# KiCad board lily58-choc-panel.kicad_pcb
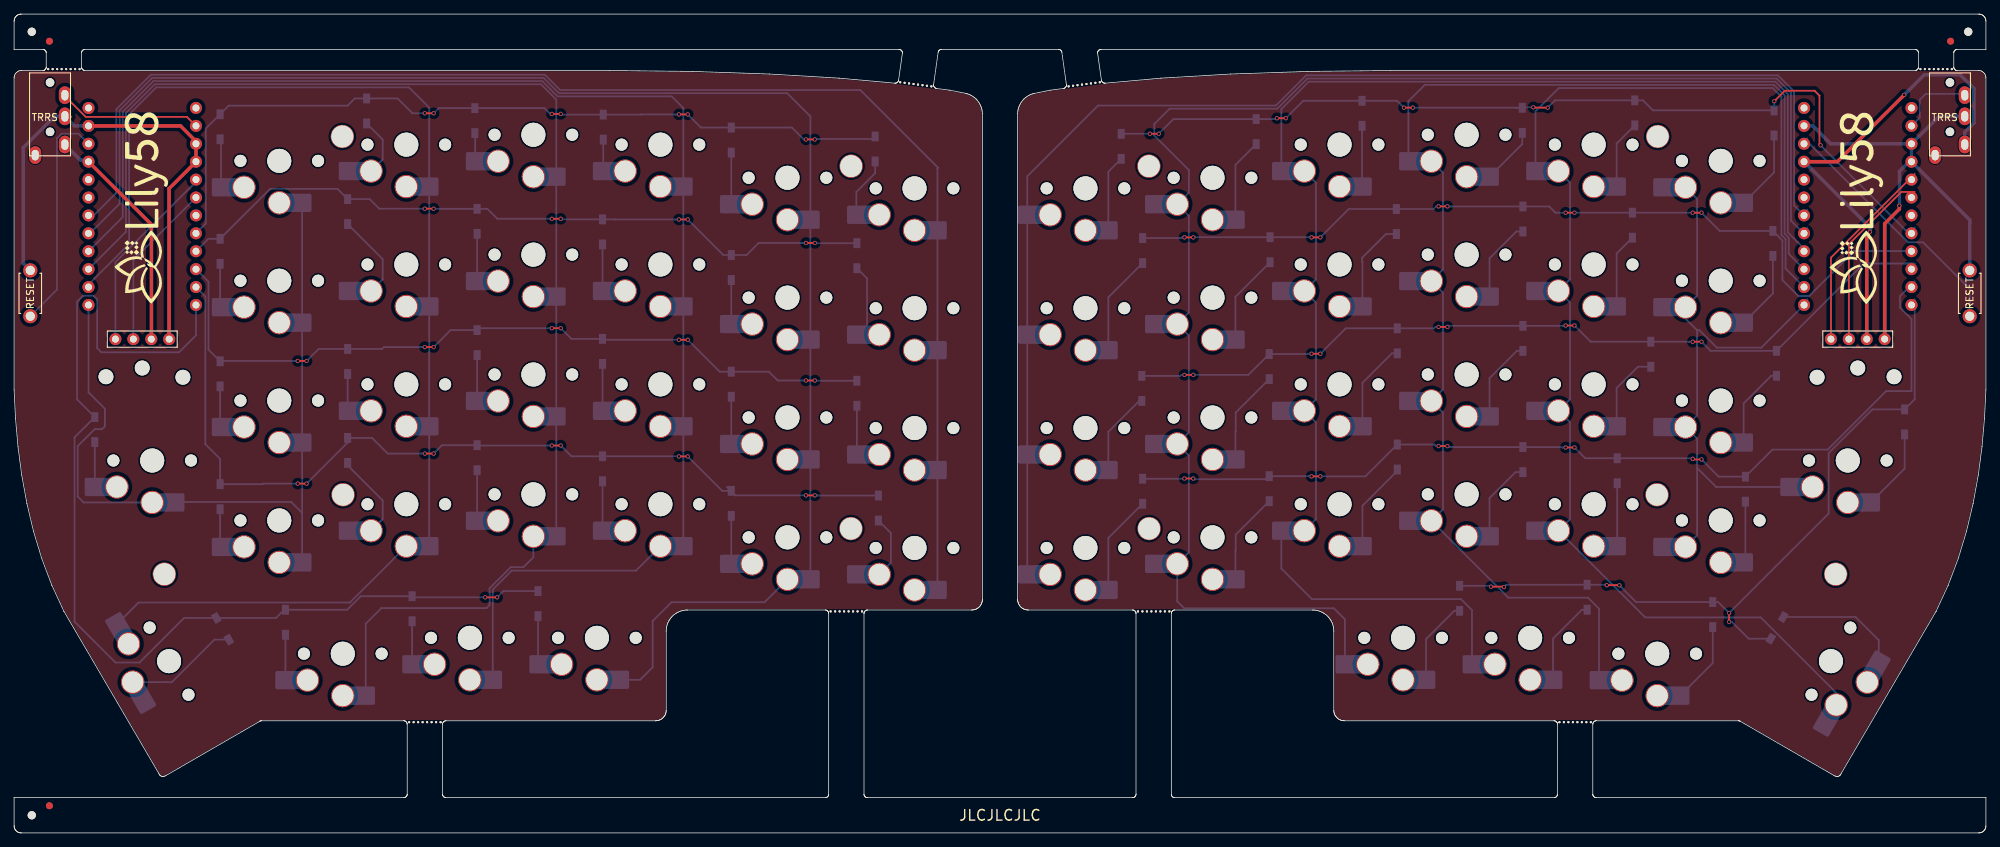
[diagram p0: board, top side]
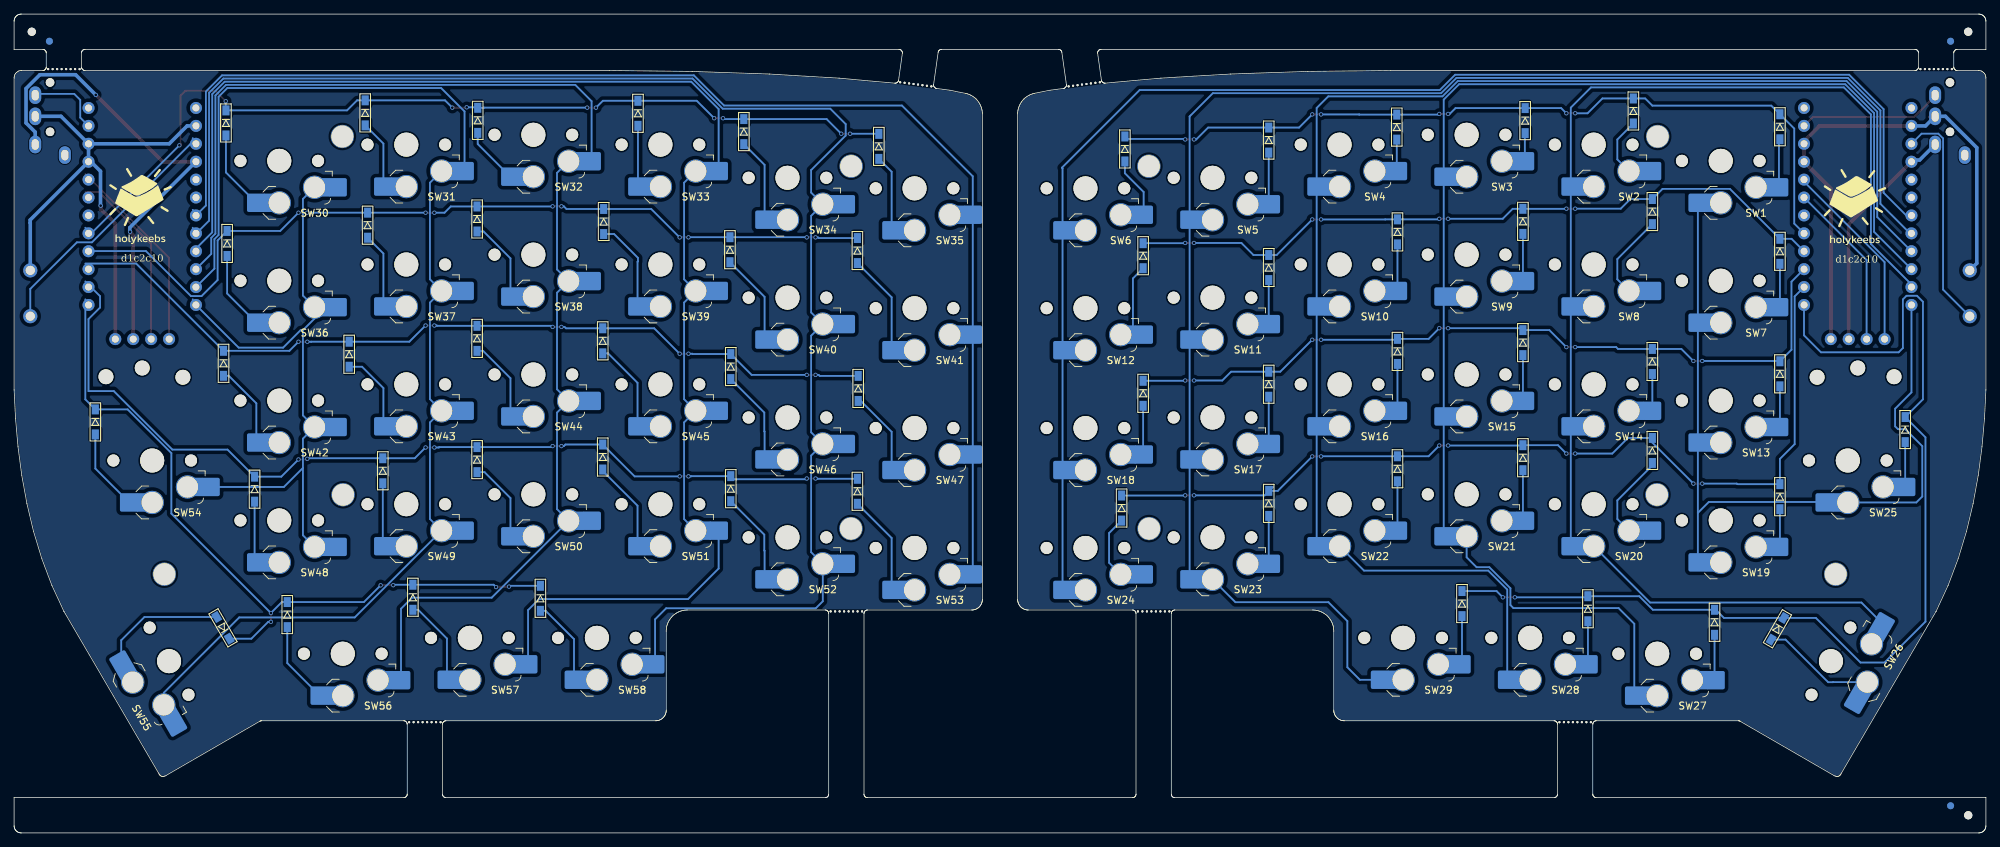
[diagram p1: board, bottom side, seen from below]

Outline 279.34 x 116.13 mm; copper layers: Top, Bottom. Coordinates in mm from the lower left corner of the outline.
Stack: Top 0.035mm / dielectric 1.51mm FR4 er 4.5 / Bottom 0.035mm

## Placement (name value [footprint] x y rotation side)
D1  D  [D3_SMD_v2]  29.18 100.15 270 bottom
D2  D  [D3_SMD_v2]  49.94 102.39 270 bottom
D3  D  [D3_SMD_v2]  65.27 101.02 270 bottom
D4  D  [D3_SMD_v2]  83.46 100.1 270 bottom
D5  D  [D3_SMD_v2]  101.6 98.26 270 bottom
D6  D  [D3_SMD_v2]  121.98 97 270 bottom
D7  D  [D3_SMD_v2]  29.18 82.49 270 bottom
D8  D  [D3_SMD_v2]  47.25 88.12 270 bottom
D9  D  [D3_SMD_v2]  65.59 86.74 270 bottom
D10  D  [D3_SMD_v2]  83.36 85.24 270 bottom
D11  D  [D3_SMD_v2]  101.6 80.19 270 bottom
D12  D  [D3_SMD_v2]  119.39 81.86 270 bottom
D13  D  [D3_SMD_v2]  29.18 65.11 270 bottom
D14  D  [D3_SMD_v2]  47.25 66.86 270 bottom
D15  D  [D3_SMD_v2]  65.59 69.54 270 bottom
D16  D  [D3_SMD_v2]  83.36 68.29 270 bottom
D17  D  [D3_SMD_v2]  101.6 63.64 270 bottom
D18  D  [D3_SMD_v2]  119.39 62.35 270 bottom
D19  D  [D3_SMD_v2]  29.18 47.69 270 bottom
D20  D  [D3_SMD_v2]  47.25 54.24 270 bottom
D21  D  [D3_SMD_v2]  65.59 53.21 270 bottom
D22  D  [D3_SMD_v2]  83.36 51.64 270 bottom
D23  D  [D3_SMD_v2]  101.6 46.74 270 bottom
D24  D  [D3_SMD_v2]  122.44 46.07 270 bottom
D25  D  [D3_SMD_v2]  11.43 57.2 270 bottom
D26  D  [D3_SMD_v2]  29.53 28.95 300 bottom
D27  D  [D3_SMD_v2]  38.44 29.87 270 bottom
D28  D  [D3_SMD_v2]  56.38 31.79 270 bottom
D29  D  [D3_SMD_v2]  74.22 32.52 270 bottom
D30  D  [D3_SMD_v2]  249.33 100.69 270 bottom
D31  D  [D3_SMD_v2]  229.6 102.12 270 bottom
D32  D  [D3_SMD_v2]  213.66 101.06 270 bottom
D33  D  [D3_SMD_v2]  190.96 102.06 270 bottom
D34  D  [D3_SMD_v2]  175.96 99.46 270 bottom
D35  D  [D3_SMD_v2]  156.84 97.37 270 bottom
D36  D  [D3_SMD_v2]  249.16 83.6 270 bottom
D37  D  [D3_SMD_v2]  229.26 86.19 270 bottom
D38  D  [D3_SMD_v2]  213.75 87.07 270 bottom
D39  D  [D3_SMD_v2]  195.82 86.71 270 bottom
D40  D  [D3_SMD_v2]  177.93 82.71 270 bottom
D41  D  [D3_SMD_v2]  159.87 82.59 270 bottom
D42  D  [D3_SMD_v2]  249.67 66.6 270 bottom
D43  D  [D3_SMD_v2]  231.87 67.89 270 bottom
D44  D  [D3_SMD_v2]  213.75 70.14 270 bottom
D45  D  [D3_SMD_v2]  195.95 69.79 270 bottom
D46  D  [D3_SMD_v2]  177.81 66.14 270 bottom
D47  D  [D3_SMD_v2]  159.76 63.04 270 bottom
D48  D  [D3_SMD_v2]  245.27 48.75 270 bottom
D49  D  [D3_SMD_v2]  227.11 51.36 270 bottom
D50  D  [D3_SMD_v2]  213.75 52.94 270 bottom
D51  D  [D3_SMD_v2]  195.95 53.31 270 bottom
D52  D  [D3_SMD_v2]  177.81 48.82 270 bottom
D53  D  [D3_SMD_v2]  159.87 48.45 270 bottom
D54  D  [D3_SMD_v2]  267.83 58.29 270 bottom
D55  D  [D3_SMD_v2]  249.75 29.08 60 bottom
D56  D  [D3_SMD_v2]  240.64 30.96 270 bottom
D57  D  [D3_SMD_v2]  222.85 33.42 270 bottom
D58  D  [D3_SMD_v2]  204.78 33.27 270 bottom
G***  LOGO  [lily58_logo_3]  260.99 88.57 90 top
G***#2  LOGO  [lily58_logo_3]  18.02 88.62 90 top
J1  4PIN  [MJ-4PP-9_1side]  5.09 107.93 0 top
J2  4PIN  [MJ-4PP-9_1side]  274.25 107.93 0 top
KiKit_FID_B_1  -  [Fiducial]  5 112.28 0 bottom
KiKit_FID_B_2  -  [Fiducial]  274.34 112.28 0 bottom
KiKit_FID_B_3  -  [Fiducial]  5 3.85 0 bottom
KiKit_FID_T_1  -  [Fiducial]  5 112.28 0 top
KiKit_FID_T_2  -  [Fiducial]  274.34 112.28 0 top
KiKit_FID_T_3  -  [Fiducial]  5 3.85 0 top
KiKit_MB_1_3  -  [NPTH]  4.82 108.33 0 top
KiKit_MB_1_4  -  [NPTH]  5.46 108.33 0 top
KiKit_MB_1_5  -  [NPTH]  6.1 108.33 0 top
KiKit_MB_1_6  -  [NPTH]  6.73 108.33 0 top
KiKit_MB_1_7  -  [NPTH]  7.37 108.33 0 top
KiKit_MB_1_8  -  [NPTH]  8 108.33 0 top
KiKit_MB_1_9  -  [NPTH]  8.64 108.33 0 top
KiKit_MB_1_10  -  [NPTH]  9.28 108.33 0 top
KiKit_MB_2_3  -  [NPTH]  120.13 31.41 0 top
KiKit_MB_2_4  -  [NPTH]  119.49 31.41 0 top
KiKit_MB_2_5  -  [NPTH]  118.85 31.41 0 top
KiKit_MB_2_6  -  [NPTH]  118.22 31.41 0 top
KiKit_MB_2_7  -  [NPTH]  117.58 31.41 0 top
KiKit_MB_2_8  -  [NPTH]  116.95 31.41 0 top
KiKit_MB_2_9  -  [NPTH]  116.31 31.41 0 top
KiKit_MB_2_10  -  [NPTH]  115.67 31.41 0 top
KiKit_MB_3_3  -  [NPTH]  60.42 15.7 0 top
KiKit_MB_3_4  -  [NPTH]  59.78 15.7 0 top
KiKit_MB_3_5  -  [NPTH]  59.14 15.7 0 top
KiKit_MB_3_6  -  [NPTH]  58.51 15.7 0 top
KiKit_MB_3_7  -  [NPTH]  57.87 15.7 0 top
KiKit_MB_3_8  -  [NPTH]  57.24 15.7 0 top
KiKit_MB_3_9  -  [NPTH]  56.6 15.7 0 top
KiKit_MB_3_10  -  [NPTH]  55.96 15.7 0 top
KiKit_MB_4_3  -  [NPTH]  125.53 106.47 0 top
KiKit_MB_4_4  -  [NPTH]  126.16 106.38 0 top
KiKit_MB_4_5  -  [NPTH]  126.79 106.3 0 top
KiKit_MB_4_6  -  [NPTH]  127.42 106.21 0 top
KiKit_MB_4_7  -  [NPTH]  128.05 106.13 0 top
KiKit_MB_4_8  -  [NPTH]  128.68 106.05 0 top
KiKit_MB_4_9  -  [NPTH]  129.32 105.96 0 top
KiKit_MB_4_10  -  [NPTH]  129.95 105.88 0 top
KiKit_MB_5_3  -  [NPTH]  149.39 105.88 0 top
KiKit_MB_5_4  -  [NPTH]  150.02 105.96 0 top
KiKit_MB_5_5  -  [NPTH]  150.65 106.05 0 top
KiKit_MB_5_6  -  [NPTH]  151.29 106.13 0 top
KiKit_MB_5_7  -  [NPTH]  151.92 106.21 0 top
KiKit_MB_5_8  -  [NPTH]  152.55 106.3 0 top
KiKit_MB_5_9  -  [NPTH]  153.18 106.38 0 top
KiKit_MB_5_10  -  [NPTH]  153.81 106.47 0 top
KiKit_MB_6_3  -  [NPTH]  223.38 15.7 0 top
KiKit_MB_6_4  -  [NPTH]  222.74 15.7 0 top
KiKit_MB_6_5  -  [NPTH]  222.1 15.7 0 top
KiKit_MB_6_6  -  [NPTH]  221.47 15.7 0 top
KiKit_MB_6_7  -  [NPTH]  220.83 15.7 0 top
KiKit_MB_6_8  -  [NPTH]  220.19 15.7 0 top
KiKit_MB_6_9  -  [NPTH]  219.56 15.7 0 top
KiKit_MB_6_10  -  [NPTH]  218.92 15.7 0 top
KiKit_MB_7_3  -  [NPTH]  270.06 108.33 0 top
KiKit_MB_7_4  -  [NPTH]  270.7 108.33 0 top
KiKit_MB_7_5  -  [NPTH]  271.33 108.33 0 top
KiKit_MB_7_6  -  [NPTH]  271.97 108.33 0 top
KiKit_MB_7_7  -  [NPTH]  272.61 108.33 0 top
KiKit_MB_7_8  -  [NPTH]  273.24 108.33 0 top
KiKit_MB_7_9  -  [NPTH]  273.88 108.33 0 top
KiKit_MB_7_10  -  [NPTH]  274.52 108.33 0 top
KiKit_MB_8_3  -  [NPTH]  163.67 31.41 0 top
KiKit_MB_8_4  -  [NPTH]  163.03 31.41 0 top
KiKit_MB_8_5  -  [NPTH]  162.39 31.41 0 top
KiKit_MB_8_6  -  [NPTH]  161.76 31.41 0 top
KiKit_MB_8_7  -  [NPTH]  161.12 31.41 0 top
KiKit_MB_8_8  -  [NPTH]  160.48 31.41 0 top
KiKit_MB_8_9  -  [NPTH]  159.85 31.41 0 top
KiKit_MB_8_10  -  [NPTH]  159.21 31.41 0 top
KiKit_TO_1  -  [NPTH#2]  2.5 113.63 0 top
KiKit_TO_2  -  [NPTH#2]  276.84 113.63 0 top
KiKit_TO_3  -  [NPTH#2]  2.5 2.5 0 top
P1  OLED  [OLED_1side_1mm_holes]  14.35 70.03 0 top
P2  OLED  [OLED_1side_1mm_holes]  257.38 70.04 0 top
REF**  -  [M2_HOLE_NPH]  17.9 65.49 0 top
REF**#2  -  [M2_HOLE_NPH]  261.44 65.49 180 bottom
REF**#3  logo big  [logo .5x]  18.54 89.15 180 bottom
REF**#4  logo big  [logo .5x]  261.42 89.3 180 bottom
RSW1  SW_RST  [ResetSW_1side]  2.29 76.53 90 top
RSW2  SW_RST  [ResetSW_1side]  277.05 76.53 90 top
SW1  SW_PUSH  [SW_choc_v1_HS_CPG135001S30_1u_flipped]  37.56 95.31 180 bottom
SW2  SW_PUSH  [SW_choc_v1_HS_CPG135001S30_1u_flipped]  55.56 97.61 180 bottom
SW3  SW_PUSH  [SW_choc_v1_HS_CPG135001S30_1u_flipped]  73.56 99.01 180 bottom
SW4  SW_PUSH  [SW_choc_v1_HS_CPG135001S30_1u_flipped]  91.56 97.61 180 bottom
SW5  SW_PUSH  [SW_choc_v1_HS_CPG135001S30_1u_flipped]  109.56 92.91 180 bottom
SW6  SW_PUSH  [SW_choc_v1_HS_CPG135001S30_1u_flipped]  127.56 91.41 180 bottom
SW7  SW_PUSH  [SW_choc_v1_HS_CPG135001S30_1u_flipped]  37.56 78.31 180 bottom
SW8  SW_PUSH  [SW_choc_v1_HS_CPG135001S30_1u_flipped]  55.56 80.61 180 bottom
SW9  SW_PUSH  [SW_choc_v1_HS_CPG135001S30_1u_flipped]  73.56 82.01 180 bottom
SW10  SW_PUSH  [SW_choc_v1_HS_CPG135001S30_1u_flipped]  91.56 80.61 180 bottom
SW11  SW_PUSH  [SW_choc_v1_HS_CPG135001S30_1u_flipped]  109.56 75.91 180 bottom
SW12  SW_PUSH  [SW_choc_v1_HS_CPG135001S30_1u_flipped]  127.56 74.41 180 bottom
SW13  SW_PUSH  [SW_choc_v1_HS_CPG135001S30_1u_flipped]  37.56 61.31 180 bottom
SW14  SW_PUSH  [SW_choc_v1_HS_CPG135001S30_1u_flipped]  55.56 63.61 180 bottom
SW15  SW_PUSH  [SW_choc_v1_HS_CPG135001S30_1u_flipped]  73.56 65.01 180 bottom
SW16  SW_PUSH  [SW_choc_v1_HS_CPG135001S30_1u_flipped]  91.56 63.61 180 bottom
SW17  SW_PUSH  [SW_choc_v1_HS_CPG135001S30_1u_flipped]  109.56 58.91 180 bottom
SW18  SW_PUSH  [SW_choc_v1_HS_CPG135001S30_1u_flipped]  127.56 57.41 180 bottom
SW19  SW_PUSH  [SW_choc_v1_HS_CPG135001S30_1u_flipped]  37.56 44.31 180 bottom
SW20  SW_PUSH  [SW_choc_v1_HS_CPG135001S30_1u_flipped]  55.56 46.61 180 bottom
SW21  SW_PUSH  [SW_choc_v1_HS_CPG135001S30_1u_flipped]  73.56 48.01 180 bottom
SW22  SW_PUSH  [SW_choc_v1_HS_CPG135001S30_1u_flipped]  91.56 46.61 180 bottom
SW23  SW_PUSH  [SW_choc_v1_HS_CPG135001S30_1u_flipped]  109.56 41.91 180 bottom
SW24  SW_PUSH  [SW_choc_v1_HS_CPG135001S30_1u_flipped]  127.56 40.41 180 bottom
SW25  SW_PUSH  [SW_choc_v1_HS_CPG135001S30_1u_flipped]  19.56 52.81 180 bottom
SW26  SW_PUSH  [SW_choc_v1_HS_CPG135001S30_1.5u]  21.95 24.36 120 bottom
SW27  SW_PUSH  [SW_choc_v1_HS_CPG135001S30_1u_flipped]  46.56 25.41 180 bottom
SW28  SW_PUSH  [SW_choc_v1_HS_CPG135001S30_1u_flipped]  64.56 27.66 180 bottom
SW29  SW_PUSH  [SW_choc_v1_HS_CPG135001S30_1u_flipped]  82.56 27.66 180 bottom
SW30  SW_PUSH  [SW_choc_v1_HS_CPG135001S30_1u]  241.78 95.31 180 bottom
SW31  SW_PUSH  [SW_choc_v1_HS_CPG135001S30_1u]  223.78 97.61 180 bottom
SW32  SW_PUSH  [SW_choc_v1_HS_CPG135001S30_1u]  205.78 99.01 180 bottom
SW33  SW_PUSH  [SW_choc_v1_HS_CPG135001S30_1u]  187.78 97.61 180 bottom
SW34  SW_PUSH  [SW_choc_v1_HS_CPG135001S30_1u]  169.78 92.91 180 bottom
SW35  SW_PUSH  [SW_choc_v1_HS_CPG135001S30_1u]  151.78 91.41 180 bottom
SW36  SW_PUSH  [SW_choc_v1_HS_CPG135001S30_1u]  241.78 78.31 180 bottom
SW37  SW_PUSH  [SW_choc_v1_HS_CPG135001S30_1u]  223.78 80.61 180 bottom
SW38  SW_PUSH  [SW_choc_v1_HS_CPG135001S30_1u]  205.78 82.01 180 bottom
SW39  SW_PUSH  [SW_choc_v1_HS_CPG135001S30_1u]  187.78 80.61 180 bottom
SW40  SW_PUSH  [SW_choc_v1_HS_CPG135001S30_1u]  169.78 75.91 180 bottom
SW41  SW_PUSH  [SW_choc_v1_HS_CPG135001S30_1u]  151.78 74.41 180 bottom
SW42  SW_PUSH  [SW_choc_v1_HS_CPG135001S30_1u]  241.78 61.31 180 bottom
SW43  SW_PUSH  [SW_choc_v1_HS_CPG135001S30_1u]  223.78 63.61 180 bottom
SW44  SW_PUSH  [SW_choc_v1_HS_CPG135001S30_1u]  205.78 65.01 180 bottom
SW45  SW_PUSH  [SW_choc_v1_HS_CPG135001S30_1u]  187.78 63.61 180 bottom
SW46  SW_PUSH  [SW_choc_v1_HS_CPG135001S30_1u]  169.78 58.91 180 bottom
SW47  SW_PUSH  [SW_choc_v1_HS_CPG135001S30_1u]  151.78 57.41 180 bottom
SW48  SW_PUSH  [SW_choc_v1_HS_CPG135001S30_1u]  241.78 44.31 180 bottom
SW49  SW_PUSH  [SW_choc_v1_HS_CPG135001S30_1u]  223.78 46.61 180 bottom
SW50  SW_PUSH  [SW_choc_v1_HS_CPG135001S30_1u]  205.78 48.01 180 bottom
SW51  SW_PUSH  [SW_choc_v1_HS_CPG135001S30_1u]  187.78 46.61 180 bottom
SW52  SW_PUSH  [SW_choc_v1_HS_CPG135001S30_1u]  169.78 41.91 180 bottom
SW53  SW_PUSH  [SW_choc_v1_HS_CPG135001S30_1u]  151.78 40.41 180 bottom
SW54  SW_PUSH  [SW_choc_v1_HS_CPG135001S30_1u]  259.78 52.81 180 bottom
SW55  SW_PUSH  [SW_choc_v1_HS_CPG135001S30_1.5u]  257.39 24.36 240 bottom
SW56  SW_PUSH  [SW_choc_v1_HS_CPG135001S30_1u]  232.78 25.41 180 bottom
SW57  SW_PUSH  [SW_choc_v1_HS_CPG135001S30_1u]  214.78 27.66 180 bottom
SW58  SW_PUSH  [SW_choc_v1_HS_CPG135001S30_1u]  196.78 27.66 180 bottom
TH1  HOLE  [M2_HOLE_PCB]  13.01 64.69 0 top
TH1#2  HOLE  [M2_HOLE_PCB]  266.33 64.69 180 bottom
TH2  HOLE  [M2_HOLE_PCB]  23.91 64.62 0 top
TH2#2  HOLE  [M2_HOLE_PCB]  255.43 64.62 180 bottom
TH3  HOLE  [M2_SPACER]  46.5 98.77 0 top
TH3#2  HOLE  [M2_SPACER]  232.84 98.77 180 bottom
TH4  HOLE  [M2_SPACER]  118.58 94.56 0 top
TH4#2  HOLE  [M2_SPACER]  160.76 94.56 180 bottom
TH5  HOLE  [M2_SPACER]  46.6 47.96 0 top
TH5#2  HOLE  [M2_SPACER]  232.74 47.96 180 bottom
TH6  HOLE  [M2_SPACER]  118.55 43.16 0 top
TH6#2  HOLE  [M2_SPACER]  160.79 43.16 180 bottom
TH7  HOLE  [M2_SPACER]  21.28 36.69 90 top
TH7#2  HOLE  [M2_SPACER]  258.06 36.69 90 bottom
U1  ProMicro  [ProMicro_1mm_holes]  18.15 88.34 0 top
U2  ProMicro  [ProMicro_1mm_holes]  261.18 88.34 0 top

## Library data of the parts
D1-D58 = -: LCSC: C2099
J1 J2 = -: Description: 4-pin (audio) jack receptable (stereo + 4th pin/TRRS connector), compatible with PJ320A
SW1-SW58 = -: LCSC: C5156480

## Footprints (pads in the part's own frame, mm; a bottom-side part is the same pattern mirrored in y, then rotated)
D3_SMD_v2
  rect 1.4x1 smd: 1(-1.775,0) 2(1.775,0)
Fiducial
  round 1 smd: (0,0)
M2_HOLE_NPH
  round 2.1 hole 2.1 unplated: (0.25,0.445)
M2_HOLE_PCB
  round 2.1 hole 2.1 unplated: (0,0)
M2_SPACER
  round 3.3 hole 3.1: (0,0)
MJ-4PP-9_1side
  round 1.2 hole 1.2 unplated: (0,-1.5) (0,-8.5)
  oval 1.7x2.5 hole 1x1.5: A(-2.1,-11.8) B(2.1,-3.3) C(2.1,-6.3) D(2.1,-10.3)
NPTH
  round 0.3 hole 0.3 unplated: (0,0)
NPTH#2
  round 1.152 hole 1.152 unplated: (0,0)
OLED_1side_1mm_holes
  round 1.7 hole 1: 1(0,0) 2(2.54,0) 3(5.08,0) 4(7.62,0)
ProMicro_1mm_holes
  round 1.7 hole 1: 1(7.611,14.478) 2(7.611,11.938) 3(7.611,9.398) 4(7.611,6.858) 5(7.611,4.318) 6(7.611,1.778) 7(7.611,-0.762) 8(7.611,-3.302) 9(7.611,-5.842) 10(7.611,-8.382) 11(7.611,-10.922) 12(7.611,-13.462) 13(-7.609,-13.462) 14(-7.609,-10.922) 15(-7.609,-8.382) 16(-7.609,-5.842) 17(-7.609,-3.302) 18(-7.609,-0.762) 19(-7.609,1.778) 20(-7.609,4.318) 21(-7.609,6.858) 22(-7.609,9.398) 23(-7.609,11.938) 24(-7.609,14.478)
ResetSW_1side
  round 2 hole 1.3: 1(3.25,0) 2(-3.25,0)
SW_choc_v1_HS_CPG135001S30_1.5u
  round 1.7 hole 1.7 unplated: (-5.5,0) (5.5,0)
  round 3.4 hole 3.4 unplated: (0,0)
  round 3.3 hole 3: 1(5,-3.75) 2(0,-5.95)
  rect 1.2x2.6 smd: 1(6.55,-3.75) 2(-1.55,-5.95)
  rrect 2.65x2.6 smd: 1(8.245,-3.75) 2(-3.245,-5.95)
SW_choc_v1_HS_CPG135001S30_1u
  round 1.7 hole 1.7 unplated: (-5.5,0) (5.5,0)
  round 3.4 hole 3.4 unplated: (0,0)
  round 3.3 hole 3: 1(5,-3.75) 2(0,-5.95)
  rect 1.2x2.6 smd: 1(6.55,-3.75) 2(-1.55,-5.95)
  rrect 2.65x2.6 smd: 1(8.245,-3.75) 2(-3.245,-5.95)
SW_choc_v1_HS_CPG135001S30_1u_flipped
  round 1.7 hole 1.7 unplated: (-5.5,0) (5.5,0)
  round 3.4 hole 3.4 unplated: (0,0)
  rrect 2.65x2.6 smd: 1(-3.245,-5.95) 2(8.245,-3.75)
  rect 1.2x2.6 smd: 1(-1.55,-5.95) 2(6.55,-3.75)
  round 3.3 hole 3: 1(0,-5.95) 2(5,-3.75)

## Nets
Board_0-col0: SW6.1 SW12.1 SW18.1 SW24.1 U1.18
Board_0-col0_l: SW35.1 SW41.1 SW47.1 SW53.1 U2.18
Board_0-col1: SW5.1 SW11.1 SW17.1 SW23.1 SW29.1 U1.17
Board_0-col1_l: SW34.1 SW40.1 SW46.1 SW52.1 SW58.1 U2.17
Board_0-col2: SW4.1 SW10.1 SW16.1 SW22.1 SW28.1 U1.16
Board_0-col2_l: SW33.1 SW39.1 SW45.1 SW51.1 SW57.1 U2.16
Board_0-col3: SW3.1 SW9.1 SW15.1 SW21.1 SW27.1 U1.15
Board_0-col3_l: SW32.1 SW38.1 SW44.1 SW50.1 SW56.1 U2.15
Board_0-col4: SW2.1 SW8.1 SW14.1 SW20.1 SW26.1 U1.14
Board_0-col4_l: SW31.1 SW37.1 SW43.1 SW49.1 SW55.1 U2.14
Board_0-col5: SW1.1 SW7.1 SW13.1 SW19.1 SW25.1 U1.13
Board_0-col5_l: SW30.1 SW36.1 SW42.1 SW48.1 SW54.1 U2.13
Board_0-DATA: J1.B U1.2
Board_0-DATA_l: J2.B U2.2
Board_0-GND: J1.C P1.4 RSW1.1 U1.3 U1.4 U1.23
Board_0-GNDA: J2.C P2.4 RSW2.1 U2.3 U2.4 U2.23
Board_0-Net-(D1-A): D1.2 SW1.2
Board_0-Net-(D2-A): D2.2 SW2.2
Board_0-Net-(D3-A): D3.2 SW3.2
Board_0-Net-(D4-A): D4.2 SW4.2
Board_0-Net-(D5-A): D5.2 SW5.2
Board_0-Net-(D6-A): D6.2 SW6.2
Board_0-Net-(D7-A): D7.2 SW7.2
Board_0-Net-(D8-A): D8.2 SW8.2
Board_0-Net-(D9-A): D9.2 SW9.2
Board_0-Net-(D10-A): D10.2 SW10.2
Board_0-Net-(D11-A): D11.2 SW11.2
Board_0-Net-(D12-A): D12.2 SW12.2
Board_0-Net-(D13-A): D13.2 SW13.2
Board_0-Net-(D14-A): D14.2 SW14.2
Board_0-Net-(D15-A): D15.2 SW15.2
Board_0-Net-(D16-A): D16.2 SW16.2
Board_0-Net-(D17-A): D17.2 SW17.2
Board_0-Net-(D18-A): D18.2 SW18.2
Board_0-Net-(D19-A): D19.2 SW19.2
Board_0-Net-(D20-A): D20.2 SW20.2
Board_0-Net-(D21-A): D21.2 SW21.2
Board_0-Net-(D22-A): D22.2 SW22.2
Board_0-Net-(D23-A): D23.2 SW23.2
Board_0-Net-(D24-A): D24.2 SW24.2
Board_0-Net-(D25-A): D25.2 SW25.2
Board_0-Net-(D26-A): D26.2 SW26.2
Board_0-Net-(D27-A): D27.2 SW27.2
Board_0-Net-(D28-A): D28.2 SW28.2
Board_0-Net-(D29-A): D29.2 SW29.2
Board_0-Net-(D30-A): D30.2 SW30.2
Board_0-Net-(D31-A): D31.2 SW31.2
Board_0-Net-(D32-A): D32.2 SW32.2
Board_0-Net-(D33-A): D33.2 SW33.2
Board_0-Net-(D34-A): D34.2 SW34.2
Board_0-Net-(D35-A): D35.2 SW35.2
Board_0-Net-(D36-A): D36.2 SW36.2
Board_0-Net-(D37-A): D37.2 SW37.2
Board_0-Net-(D38-A): D38.2 SW38.2
Board_0-Net-(D39-A): D39.2 SW39.2
Board_0-Net-(D40-A): D40.2 SW40.2
Board_0-Net-(D41-A): D41.2 SW41.2
Board_0-Net-(D42-A): D42.2 SW42.2
Board_0-Net-(D43-A): D43.2 SW43.2
Board_0-Net-(D44-A): D44.2 SW44.2
Board_0-Net-(D45-A): D45.2 SW45.2
Board_0-Net-(D46-A): D46.2 SW46.2
Board_0-Net-(D47-A): D47.2 SW47.2
Board_0-Net-(D48-A): D48.2 SW48.2
Board_0-Net-(D49-A): D49.2 SW49.2
Board_0-Net-(D50-A): D50.2 SW50.2
Board_0-Net-(D51-A): D51.2 SW51.2
Board_0-Net-(D52-A): D52.2 SW52.2
Board_0-Net-(D53-A): D53.2 SW53.2
Board_0-Net-(D54-A): D54.2 SW54.2
Board_0-Net-(D55-A): D55.2 SW55.2
Board_0-Net-(D56-A): D56.2 SW56.2
Board_0-Net-(D57-A): D57.2 SW57.2
Board_0-Net-(D58-A): D58.2 SW58.2
Board_0-RESET: RSW1.2 U1.22
Board_0-RESET_l: RSW2.2 U2.22
Board_0-row0: D1.1 D2.1 D3.1 D4.1 D5.1 D6.1 U1.8
Board_0-row0_l: D30.1 D31.1 D32.1 D33.1 D34.1 D35.1 U2.8
Board_0-row1: D7.1 D8.1 D9.1 D10.1 D11.1 D12.1 U1.9
Board_0-row1_l: D36.1 D37.1 D38.1 D39.1 D40.1 D41.1 U2.9
Board_0-row2: D13.1 D14.1 D15.1 D16.1 D17.1 D18.1 U1.10
Board_0-row2_l: D42.1 D43.1 D44.1 D45.1 D46.1 D47.1 U2.10
Board_0-row3: D19.1 D20.1 D21.1 D22.1 D23.1 D24.1 U1.11
Board_0-row3_l: D48.1 D49.1 D50.1 D51.1 D52.1 D53.1 U2.11
Board_0-row4: D25.1 D26.1 D27.1 D28.1 D29.1 U1.12
Board_0-row4_l: D54.1 D55.1 D56.1 D57.1 D58.1 U2.12
Board_0-SCL: P1.2 U1.6
Board_0-SCL_l: P2.2 U2.6
Board_0-SDA: P1.1 U1.5
Board_0-SDA_l: P2.1 U2.5
Board_0-unconnected-(J1-PadA): J1.A
Board_0-unconnected-(J2-PadA): J2.A
Board_0-unconnected-(U1-A2(PF5)-Pad19): U1.19
Board_0-unconnected-(U1-A3(PF4)-Pad20): U1.20
Board_0-unconnected-(U1-D4(PD4)-Pad7): U1.7
Board_0-unconnected-(U1-RAW-Pad24): U1.24
Board_0-unconnected-(U1-TX(PD3)-Pad1): U1.1
Board_0-unconnected-(U2-A2(PF5)-Pad19): U2.19
Board_0-unconnected-(U2-A3(PF4)-Pad20): U2.20
Board_0-unconnected-(U2-D4(PD4)-Pad7): U2.7
Board_0-unconnected-(U2-RAW-Pad24): U2.24
Board_0-unconnected-(U2-TX(PD3)-Pad1): U2.1
Board_0-VCC: J1.D P1.3 U1.21
Board_0-VDD: J2.D P2.3 U2.21

## Via types
v1: diameter 0.6, hole 0.4, Top to Bottom, 87 vias

## Routing (per net, layer and track width the routed paths; a pad name or vN(x,y) marks a point on that pad's centre or on a via; arc(x,y) is an arc through that point)
Board_0-col0: length 200.6
  Bottom w0.25: SW24.1 SW18.1 SW12.1 SW6.1 130.81,94.25 130.9,94.34 119.88,105.36 77.36,105.36 75.19,107.53 19.37,107.53 14.49,102.65 14.49,90.79 11.27,87.57 10.89,87.57
Board_0-col0_l: length 190.8
  Bottom w0.25: 254.03,88.37 253.41,87.75 252.17,88.98 252.17,105.15 249.88,107.44 183.04,107.44 178.76,103.16 153.56,103.16 143.53,93.13 SW35.1 SW41.1 SW47.1 SW53.1
Board_0-col1: length 220.6
  Bottom w0.25: SW29.1 88.68,21.71 90.46,23.49 90.46,30.04 93.14,32.72 106.32,32.72 SW23.1 ; SW23.1 SW17.1 SW11.1 SW5.1 112.81,101.61 109.51,104.91 77.17,104.91 75,107.08 19.56,107.08 14.94,102.46 14.94,89.22 10.75,85.03 U1.17
Board_0-col1_l: length 221.1
  Bottom w0.25: SW58.1 188.53,30.29 186.96,31.86 165.76,31.86 164.78,32.85 SW52.1 166.43,39.81 166.43,53.51 SW46.1 166.43,56.81 166.43,70.51 SW40.1 166.43,73.81 166.43,87.51 SW34.1 166.43,90.81 166.43,94.01 161.53,98.9 161.53,100.53 163.71,102.71 178.95,102.71 183.23,106.99 249.69,106.99 251.72,104.96 251.72,86.83 253.55,85.01 254.03,85.49 254.03,85.83
Board_0-col2: length 205.8
  Bottom w0.25: SW22.1 SW16.1 SW10.1 SW4.1 94.81,102.81 93.16,104.46 76.99,104.46 74.82,106.63 19.74,106.63 15.39,102.28 15.39,87.34 U1.16 ; SW22.1 88.1,37.2 70.5,37.2 67.81,34.51 SW28.1
Board_0-col2_l: length 203.4
  Bottom w0.25: SW51.1 184.43,44.51 184.43,58.21 SW45.1 184.43,61.51 184.43,75.21 SW39.1 184.43,78.51 184.43,92.21 SW33.1 ; 253.59,82.85 251.27,85.18 251.27,104.78 249.51,106.54 183.41,106.54 179.53,102.66 SW33.1 ; SW51.1 179.53,37.49 183.86,33.16 204.97,33.16 206.53,31.6 SW57.1
Board_0-col3: length 191.8
  Bottom w0.25: 10.71,80.13 15.84,85.25 15.84,102.09 19.93,106.18 74.63,106.18 76.81,104 SW3.1 SW9.1 SW15.1 SW21.1 ; SW21.1 73.56,39.09 72.15,37.68 70.34,37.68 67.36,34.7 67.36,32.31 66.93,31.88 52.03,31.88 49.81,29.66 SW27.1
Board_0-col3_l: length 183.3
  Bottom w0.25: SW32.1 202.43,93.61 202.43,79.91 SW38.1 202.43,76.61 202.43,62.91 SW44.1 202.43,59.61 202.43,45.91 SW50.1 211.68,33.36 222.96,33.36 224.53,31.79 SW56.1 ; U2.15 251.41,82.12 251.41,84.4 250.82,84.99 250.82,104.59 249.32,106.09 199.84,106.09 197.53,103.78 SW32.1
Board_0-col4: length 179.6
  Bottom w0.25: 10.53,77.77 16.29,83.53 16.29,101.91 20.12,105.73 55.94,105.73 58.81,102.86 SW2.1 SW8.1 SW14.1 SW20.1 ; SW20.1 47.57,32.67 17.63,32.67 SW26.1
Board_0-col4_l: length 179.2
  Bottom w0.25: SW55.1 258.13,19.87 247.44,30.56 231.08,30.56 SW49.1 220.43,44.51 220.43,58.21 SW43.1 220.43,61.51 220.43,75.21 SW37.1 220.43,78.51 220.43,92.21 SW31.1 ; U2.14 250.96,80.03 250.96,84.21 250.37,84.8 250.37,104.41 249.13,105.64 218.84,105.64 215.53,102.33 SW31.1
Board_0-col5: length 111.3
  Bottom w0.25: SW25.1 9.86,46.86 9.01,47.71 9.01,54.86 11.42,57.26 12.46,57.26 12.86,57.66 12.86,60.16 10.54,62.48 10.54,75.22 ; SW25.1 22.88,46.94 39.25,46.94 40.81,45.38 ; SW1.1 SW7.1 SW13.1 40.81,45.38 ; 40.81,45.38 SW19.1
Board_0-col5_l: length 89
  Bottom w0.25: 254.03,75.67 254.03,75.33 247.53,68.83 241.23,68.83 238.76,71.3 238.43,71.3 ; 238.43,51.76 241.12,49.06 SW54.1 ; 238.43,51.76 238.43,42.21 SW48.1 ; 238.43,51.76 238.43,55.91 SW42.1 238.43,59.21 238.43,71.3 ; 238.43,71.3 236.78,72.95 SW36.1 238.43,76.21 238.43,89.91 SW30.1
Board_0-DATA: length 20.5
  Top w0.25: J1.B 7.19,104.51 10.14,101.55 24.49,101.55 U1.2
Board_0-DATA_l: length 11
  Bottom w0.25: J2.B 276.16,104.82 270.83,104.82 269.97,103.96 269.97,101.45 U2.2
Board_0-GND: length 76.5
  Top w0.25: 7.19,102.43 8.07,101.55
  Top w0.5: P1.4 21.95,70.05 21.95,91.38 U1.4 25.76,98.08 23.57,100.27 U1.23
  Bottom w0.5: U1.23 8.55,100.27 J1.C 5.73,101.63 1.29,97.19 1.29,80.78 RSW1.1
Board_0-GNDA: length 74.1
  Top w0.5: v1(267.08,88.96) 267.08,88.48 265,86.4 265,70.04 P2.4
  Bottom w0.5: U2.4 277.06,86.93 277.06,86.53 277.05,86.52 RSW2.1 ; U2.4 268.46,95.19 267.1,93.84 267.1,88.98 v1(267.08,88.96) ; U2.4 268.8,98.08 ; J2.C 272.69,101.63 U2.3 268.79,97.74 257.36,97.74 254.82,100.27 U2.23
Board_0-Net-(D1-A): length 6.9
  Bottom w0.25: D1.2 29.32,98.24 SW1.2
Board_0-Net-(D2-A): length 8.4
  Bottom w0.25: D2.2 52.21,98.34 52.21,95.51 SW2.2
Board_0-Net-(D3-A): length 4
  Bottom w0.25: SW3.2 65.32,99.2 D3.2
Board_0-Net-(D4-A): length 4.5
  Bottom w0.25: SW4.2 83.46,94.01 D4.2
Board_0-Net-(D5-A): length 7.4
  Bottom w0.25: SW5.2 101.6,89.45 D5.2
Board_0-Net-(D6-A): length 8.8
  Bottom w0.25: 119.39,87.74 SW6.2 119.32,90.9 121.98,93.56 D6.2
Board_0-Net-(D7-A): length 6.2
  Bottom w0.25: D7.2 29.18,74.7 SW7.2
Board_0-Net-(D8-A): length 12.2
  Bottom w0.25: D8.2 52.21,81.38 52.21,78.51 SW8.2
Board_0-Net-(D9-A): length 6.8
  Bottom w0.25: SW9.2 65.59,78.54 D9.2
Board_0-Net-(D10-A): length 6.6
  Bottom w0.25: D10.2 83.36,76.91 SW10.2
Board_0-Net-(D11-A): length 6.4
  Bottom w0.25: SW11.2 101.6,72.45 D11.2
Board_0-Net-(D12-A): length 10.1
  Bottom w0.25: SW12.2 120.84,70.84 120.84,78.64 D12.2
Board_0-Net-(D13-A): length 5.8
  Bottom w0.25: D13.2 29.18,57.7 SW13.2
Board_0-Net-(D14-A): length 5.2
  Bottom w0.25: D14.2 47.25,59.93 SW14.2
Board_0-Net-(D15-A): length 6.6
  Bottom w0.25: D15.2 65.59,61.54 SW15.2
Board_0-Net-(D16-A): length 6.7
  Bottom w0.25: D16.2 83.36,59.91 SW16.2
Board_0-Net-(D17-A): length 6.8
  Bottom w0.25: SW17.2 101.6,55.45 D17.2
Board_0-Net-(D18-A): length 6.9
  Bottom w0.25: D18.2 119.39,53.74 SW18.2
Board_0-Net-(D19-A): length 5.4
  Bottom w0.25: D19.2 29.18,40.7 SW19.2
Board_0-Net-(D20-A): length 12.3
  Bottom w0.25: D20.2 47.25,52.12 52.21,47.16 52.21,44.51 SW20.2
Board_0-Net-(D21-A): length 7.3
  Bottom w0.25: D21.2 65.59,44.54 SW21.2
Board_0-Net-(D22-A): length 7
  Bottom w0.25: SW22.2 83.36,42.91 D22.2
Board_0-Net-(D23-A): length 6.9
  Bottom w0.25: D23.2 101.6,38.45 SW23.2
Board_0-Net-(D24-A): length 9
  Bottom w0.25: SW24.2 124.21,38.31 124.21,42.52 D24.2
Board_0-Net-(D25-A): length 6.4
  Bottom w0.25: SW25.2 11.43,49.18 D25.2
Board_0-Net-(D26-A): length 16.6
  Bottom w0.25: 16.3,21.38 21.65,21.38 21.66,21.37 22.34,21.37 28.38,27.41 D26.2
Board_0-Net-(D27-A): length 6.5
  Bottom w0.25: D27.2 38.44,21.79 SW27.2
Board_0-Net-(D28-A): length 6.1
  Bottom w0.25: SW28.2 56.38,23.98 D28.2
Board_0-Net-(D29-A): length 6.9
  Bottom w0.25: SW29.2 74.22,24.01 D29.2
Board_0-Net-(D30-A): length 11.3
  Bottom w0.25: SW30.2 249.33,93.67 D30.2
Board_0-Net-(D31-A): length 9.7
  Bottom w0.25: SW31.2 227.02,97.77 D31.2
Board_0-Net-(D32-A): length 8.1
  Bottom w0.25: SW32.2 213.66,97.7 D32.2
Board_0-Net-(D33-A): length 8.6
  Bottom w0.25: D33.2 190.96,91.73 SW33.2
Board_0-Net-(D34-A): length 12.1
  Bottom w0.25: SW34.2 173.02,94.75 176.04,97.77
Board_0-Net-(D35-A): length 10.9
  Bottom w0.25: SW35.2 155.02,93.78 D35.2
Board_0-Net-(D36-A): length 11.2
  Bottom w0.25: SW36.2 249.16,76.5 D36.2
Board_0-Net-(D37-A): length 10.7
  Bottom w0.25: SW37.2 227.02,82.18 D37.2
Board_0-Net-(D38-A): length 11.7
  Bottom w0.25: SW38.2 209.02,81.49 212.82,85.3 D38.2
Board_0-Net-(D39-A): length 13.2
  Bottom w0.25: D39.2 194.34,84.94 190.96,81.56 190.96,81.06 191.02,81 SW39.2
Board_0-Net-(D40-A): length 13
  Bottom w0.25: D40.2 173.02,76.03 SW40.2
Board_0-Net-(D41-A): length 14.4
  Bottom w0.25: D41.2 155.02,75.97 SW41.2
Board_0-Net-(D42-A): length 11.8
  Bottom w0.25: SW42.2 245.02,60.93 248.92,64.83 D42.2
Board_0-Net-(D43-A): length 11.5
  Bottom w0.25: SW43.2 227.02,63.09 230.04,66.12 D43.2
Board_0-Net-(D44-A): length 11.8
  Bottom w0.25: D44.2 212.89,68.37 209.02,64.49 SW44.2
Board_0-Net-(D45-A): length 12.8
  Bottom w0.25: SW45.2 191.02,63.84 195.2,68.02 D45.2
Board_0-Net-(D46-A): length 13.4
  Bottom w0.25: SW46.2 173.02,56.92 173.06,56.96 173.06,59.62 D46.2
Board_0-Net-(D47-A): length 12
  Bottom w0.25: D47.2 159.39,61.27 155.02,56.89 SW47.2
Board_0-Net-(D48-A): length 8.7
  Bottom w0.25: SW48.2 245.27,38.61 D48.2
Board_0-Net-(D49-A): length 9
  Bottom w0.25: SW49.2 227.11,40.75 D49.2
Board_0-Net-(D50-A): length 11.7
  Bottom w0.25: D50.2 212.69,51.17 209.02,47.49 SW50.2
Board_0-Net-(D51-A): length 12.9
  Bottom w0.25: D51.2 195.95,51.34 191.02,46.41 SW51.2
Board_0-Net-(D52-A): length 13.1
  Bottom w0.25: D52.2 173.06,42.3 173.06,40.06 173.02,40.02 SW52.2
Board_0-Net-(D53-A): length 14.2
  Bottom w0.25: D53.2 155.02,41.83 SW53.2
Board_0-Net-(D54-A): length 11.6
  Bottom w0.25: SW54.2 267.83,51.67 D54.2
Board_0-Net-(D55-A): length 18
  Bottom w0.25: D55.2 260.87,30.62 264.16,27.33 SW55.2
Board_0-Net-(D56-A): length 11.6
  Bottom w0.25: D56.2 240.64,24.08 SW56.2
Board_0-Net-(D57-A): length 12.4
  Bottom w0.25: SW57.2 218.02,27.57 222.1,31.65 D57.2
Board_0-Net-(D58-A): length 12.2
  Bottom w0.25: D58.2 204.03,31.5 200.02,27.49 SW58.2
Board_0-RESET: length 32.1
  Bottom w0.25: U1.22 9.11,99.17 6.74,99.17 6.07,98.5 6.07,77.06 RSW1.2
Board_0-RESET_l: length 36.9
  Bottom w0.25: 254.03,98.53 254.03,98.19 U2.22 254.34,97.73 268.31,83.76 270.44,83.76 277.05,77.15 RSW2.2
Board_0-row0: length 115.2
  Top w0.25: v1(77.43,101.97) v1(76.18,101.97) ; v1(95.43,101.9) v1(94.18,101.9) ; v1(113.43,98.35) v1(112.18,98.35) ; v1(59.43,102.06) v1(58.18,102.06)
  Bottom w0.25: v1(77.43,101.97) 77.53,101.88 D4.1 88.78,101.88 88.8,101.9 v1(94.18,101.9) ; D6.1 121.63,98.43 113.51,98.43 v1(113.43,98.35) ; v1(112.18,98.35) 111.87,98.35 110.19,100.04 D5.1 97.3,100.04 v1(95.43,101.9) ; v1(58.18,102.06) 56.43,102.06 54.33,104.17 48.27,104.17 47.25,103.15 30.4,103.15 D1.1 27.15,99.89 27.15,86.42 U1.8 ; v1(59.43,102.06) 60.17,102.8 D3.1 75.14,102.8 75.96,101.97 v1(76.18,101.97)
Board_0-row0_l: length 130.5
  Top w0.25: v1(215.22,102.91) 215.27,102.86 v1(217.26,102.86) ; v1(198.16,102.86) v1(196.91,102.86) ; v1(249.36,103.77) 250.85,105.26 255.06,105.26 255.76,104.56 255.76,97.68 v1(255.92,97.52) ; v1(180.16,101.36) v1(178.91,101.36) ; v1(162.16,99.16) v1(160.91,99.16)
  Bottom w0.25: v1(180.16,101.36) 182.63,103.84 D33.1 195.93,103.84 v1(196.91,102.86) ; v1(217.26,102.86) 218.3,103.9 230.75,103.9 232.17,102.48 249.32,102.48 D30.1 249.36,102.5 v1(249.36,103.77) ; v1(160.91,99.16) 156.86,99.16 D35.1 ; v1(198.16,102.86) 212.76,102.86 212.79,102.84 D32.1 213.73,102.91 v1(215.22,102.91) ; v1(162.16,99.16) 164.23,101.24 D34.1 178.78,101.24 v1(178.91,101.36) ; 269.25,85.83 268.46,85.03 268.41,85.03 v1(255.92,97.52)
Board_0-row1: length 101.7
  Top w0.25: v1(95.43,87) v1(94.18,87) ; v1(59.43,88.53) v1(58.18,88.53) ; v1(113.43,83.67) v1(112.18,83.67) ; v1(77.43,87.1) v1(76.18,87.1)
  Bottom w0.25: v1(59.43,88.53) 59.45,88.51 D9.1 67.04,88.51 68.45,87.1 v1(76.18,87.1) ; v1(58.18,88.53) 51.73,88.53 50.37,89.9 D8.1 45.81,91.34 36.26,91.34 D7.1 27.53,84.26 25.93,82.67 ; v1(95.43,87) 100.47,81.96 D11.1 103.76,81.96 105.47,83.67 v1(112.18,83.67) ; v1(94.18,87) 85.11,87 85.1,87.02 D10.1 77.52,87.02 v1(77.43,87.1) ; D12.1 113.47,83.64 v1(113.43,83.67)
Board_0-row1_l: length 122
  Top w0.25: v1(167.05,84.46) v1(165.8,84.46) ; v1(239.05,87.96) v1(237.8,87.96) ; v1(185.05,84.46) v1(183.8,84.46) ; v1(203.05,88.86) v1(201.8,88.86) ; v1(221.05,87.96) v1(219.8,87.96)
  Bottom w0.25: v1(219.8,87.96) 218.36,87.96 217.48,88.85 D38.1 203.07,88.85 v1(203.05,88.86) ; U2.9 268.77,82.52 260.67,82.52 254.28,76.13 252.79,76.13 250.51,78.41 250.51,84.03 D36.1 241.64,85.38 v1(239.05,87.96) ; v1(183.8,84.46) 183.66,84.46 183.64,84.49 D40.1 167.08,84.49 v1(167.05,84.46) ; v1(185.05,84.46) 189.08,88.49 D39.1 201.09,88.49 201.46,88.86 v1(201.8,88.86) ; v1(237.8,87.96) 237.8,87.97 D37.1 221.06,87.97 v1(221.05,87.96) ; D41.1 165.37,84.37 165.46,84.46 v1(165.8,84.46)
Board_0-row2: length 109.7
  Top w0.25: v1(95.43,69.94) v1(94.18,69.94) ; v1(59.43,68.9) v1(58.18,68.9) ; v1(41.43,66.93) v1(40.18,66.93) ; v1(113.43,64.16) v1(112.18,64.16) ; v1(77.43,71.58) v1(76.18,71.58)
  Bottom w0.25: v1(59.43,68.9) 61.84,71.31 D15.1 65.86,71.58 v1(76.18,71.58) ; v1(94.18,69.94) 83.49,69.94 D16.1 78.95,70.07 v1(77.43,71.58) ; v1(40.18,66.93) 29.23,66.93 D13.1 27.54,68.53 27.54,78.18 U1.10 ; v1(58.18,68.9) 52.38,68.9 52.12,68.64 D14.1 43.14,68.64 v1(41.43,66.93) ; v1(112.18,64.16) 108.18,64.16 106.93,65.41 D17.1 99.96,65.41 v1(95.43,69.94) ; D18.1 113.47,64.13 v1(113.43,64.16)
Board_0-row2_l: length 119.1
  Top w0.25: v1(221.05,71.96) v1(219.8,71.96) ; v1(239.05,69.66) v1(237.8,69.66) ; v1(185.05,67.96) v1(183.8,67.96) ; v1(167.05,64.96) v1(165.8,64.96) ; v1(203.05,71.76) v1(201.8,71.76)
  Bottom w0.25: v1(183.8,67.96) 183.26,67.96 183.22,67.92 D46.1 174.86,64.96 v1(167.05,64.96) ; v1(239.05,69.66) 240.34,68.38 D42.1 262.04,80.75 269.25,80.75 ; v1(237.8,69.66) 237.26,69.66 237.26,69.67 D43.1 223.35,69.67 v1(221.05,71.96) ; v1(203.05,71.76) 203.21,71.92 D44.1 219.42,71.92 219.46,71.96 v1(219.8,71.96) ; D47.1 165.22,64.82 165.36,64.96 v1(165.8,64.96) ; v1(185.05,67.96) 188.66,71.57 D45.1 201.17,71.57 201.36,71.76 v1(201.8,71.76)
Board_0-row3: length 131.7
  Top w0.25: v1(77.43,54.94) v1(76.18,54.94) ; v1(95.43,53.39) v1(94.18,53.39) ; v1(113.43,47.87) v1(112.18,47.87) ; v1(59.43,53.8) v1(58.18,53.8) ; v1(41.43,49.54) v1(40.18,49.54)
  Bottom w0.25: v1(77.43,54.94) 78.96,53.42 D22.1 94.16,53.42 v1(94.18,53.39) ; v1(58.18,53.8) 52.93,53.8 50.72,56.02 D20.1 47.25,55.36 v1(41.43,49.54) ; v1(113.43,47.87) 113.46,47.85 D24.1 ; v1(112.18,47.87) 102.16,47.87 101.01,49.02 101.09,49.02 D23.1 100.31,48.51 v1(95.43,53.39) ; v1(76.18,54.94) 65.64,54.94 D21.1 60.62,54.99 v1(59.43,53.8) ; U1.11 27.09,76.09 27.09,55.14 29.18,53.05 D19.1 35.21,49.46 35.29,49.54 v1(40.18,49.54)
Board_0-row3_l: length 135.1
  Top w0.25: v1(167.05,50.26) v1(165.8,50.26) ; v1(221.05,54.66) v1(219.8,54.66) ; v1(203.05,54.86) v1(201.8,54.86) ; v1(237.8,53.06) 237.9,52.96 v1(239.05,52.96) ; v1(185.05,50.56) v1(183.8,50.56)
  Bottom w0.25: v1(237.8,53.06) 237.73,53.14 D49.1 222.58,53.14 v1(221.05,54.66) ; 269.25,78.21 267.16,76.12 267.16,74.51 268.8,72.87 268.8,62.66 265.22,62.66 256.92,54.36 249.11,54.36 D48.1 241.49,50.53 v1(239.05,52.96) ; v1(219.8,54.66) 219.16,54.66 219.11,54.72 D50.1 203.2,54.72 v1(203.05,54.86) ; v1(165.8,50.26) 165.56,50.26 165.53,50.23 D53.1 ; v1(167.05,50.26) 167.15,50.16 177.38,50.16 D52.1 183.43,50.6 183.46,50.56 v1(183.8,50.56) ; v1(201.8,54.86) 201.46,54.86 201.24,55.09 D51.1 191.43,50.56 v1(185.05,50.56)
Board_0-row4: length 149.9
  Top w0.25: v1(68.43,33.41) v1(66.73,33.41)
  Bottom w0.25: v1(66.73,33.41) 56.54,33.41 D28.1 49.1,33.57 47.18,31.65 D27.1 38.27,31.65 37.11,30.49 D26.1 24.09,30.49 17.76,24.16 14.36,24.16 8.56,29.96 8.56,56.11 D25.1 8.92,61.49 8.92,75.34 9.76,76.18 11.24,76.18 11.76,75.66 11.76,68.76 12.36,68.16 23.36,68.16 25.76,70.56 U1.12 ; v1(68.43,33.41) 69.32,34.3 D29.1
Board_0-row4_l: length 106.2
  Top w0.25: v1(225.63,35.13) 227.4,35.13 v1(227.41,35.11) ; v1(242.96,31.19) v1(242.96,29.94) ; v1(211.06,34.86) 211,34.93 v1(209.23,34.93)
  Bottom w0.25: D55.1 245.73,27.54 243.34,29.94 v1(242.96,29.94) ; v1(227.41,35.11) 229.79,32.74 D56.1 241.41,32.74 v1(242.96,31.19) 257.06,45.29 257.06,53.87 263.26,60.07 D54.1 269.25,61.49 269.25,75.67 ; v1(209.23,34.93) 209.11,35.05 D58.1 ; v1(211.06,34.86) 211.4,35.2 D57.1 225.56,35.2 v1(225.63,35.13)
Board_0-SCL: length 23.1
  Bottom w0.25: 25.31,89.66 16.9,81.25 16.9,70.04 P1.2
Board_0-SCL_l: length 26.3
  Top w0.25: 260.38,70.04 P2.2 259.92,83.49 267.35,90.91 269.25,90.91
Board_0-SDA: length 27.4
  Bottom w0.25: U1.5 25.76,92.37 14.35,80.96 P1.1
Board_0-SDA_l: length 28.3
  Top w0.25: 269.25,93.45 257.39,81.59 257.39,70.04 P2.1
Board_0-VCC: length 33.2
  Top w0.5: U1.21 19.45,86.29 19.45,70.05 P1.3
  Bottom w0.5: U1.21 10.31,95.43 9.39,95.43 J1.D
Board_0-VDD: length 67.7
  Top w0.5: v1(262.92,85.25) 262.46,84.8 262.46,70.04 P2.3 ; U2.21 253.58,95.19 258.29,95.19 v1(267.77,104.67)
  Bottom w0.5: U2.21 253.6,95.19 262.96,85.83 262.96,85.29 v1(262.92,85.25) ; J2.D 276.35,99.39 277.65,100.69 277.65,105.57 275.69,107.53 270.63,107.53 v1(267.77,104.67)

## Copper pours and planes (outline as drawn; the poured copper is in the pictures)
(no net) on Top, Bottom: -7.14,109.06 289.56,109.86 287.96,0.86 -6.64,0.06

## Text on the board
B.Silkscreen: d1c2c10
F.Silkscreen: JLCJLCJLC
